# Altium PCB coreBoard.PcbDoc (part 1 of 2)
Units mm, origin at the board's own origin, x right, y up, seen from the top; angles counter-clockwise.
Board outline 99.95 x 98.81 mm, 2 copper layers (Top Layer, Bottom Layer); 296 components, 246 nets, 1010 pads, 103 vias.
Unrouted connection lines stored in the file: 445.
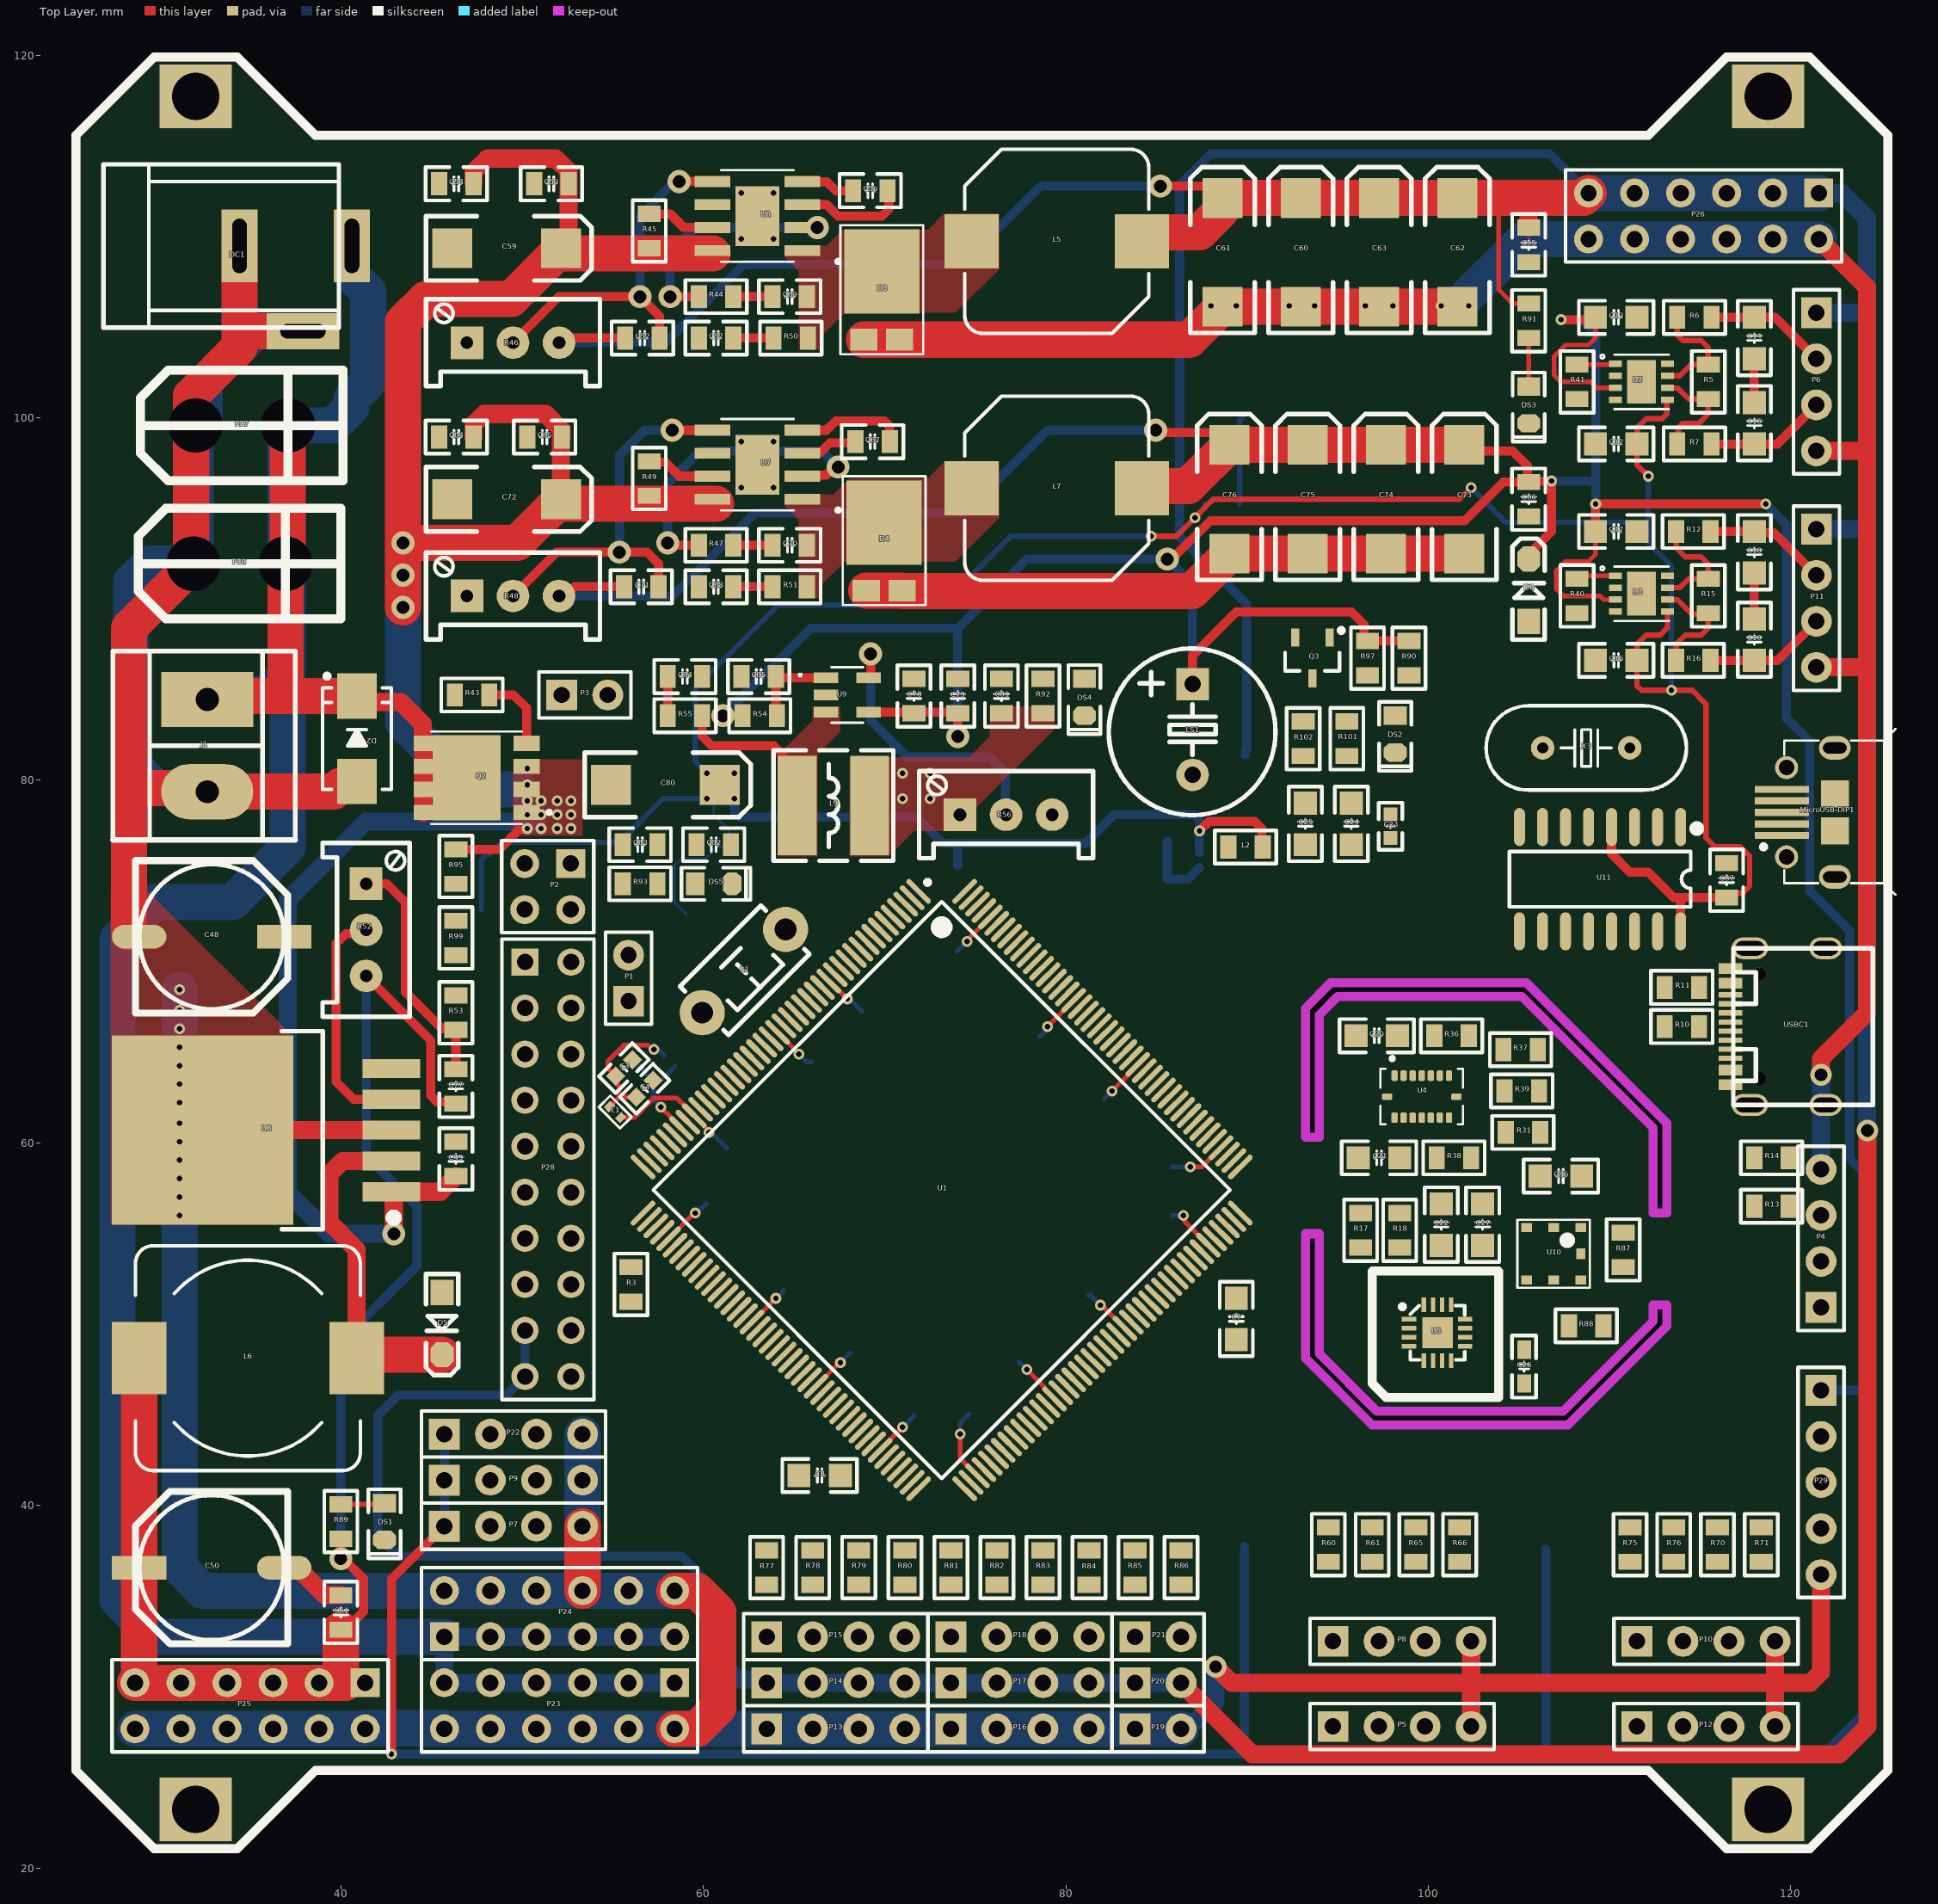
[diagram p0: Top Layer view]
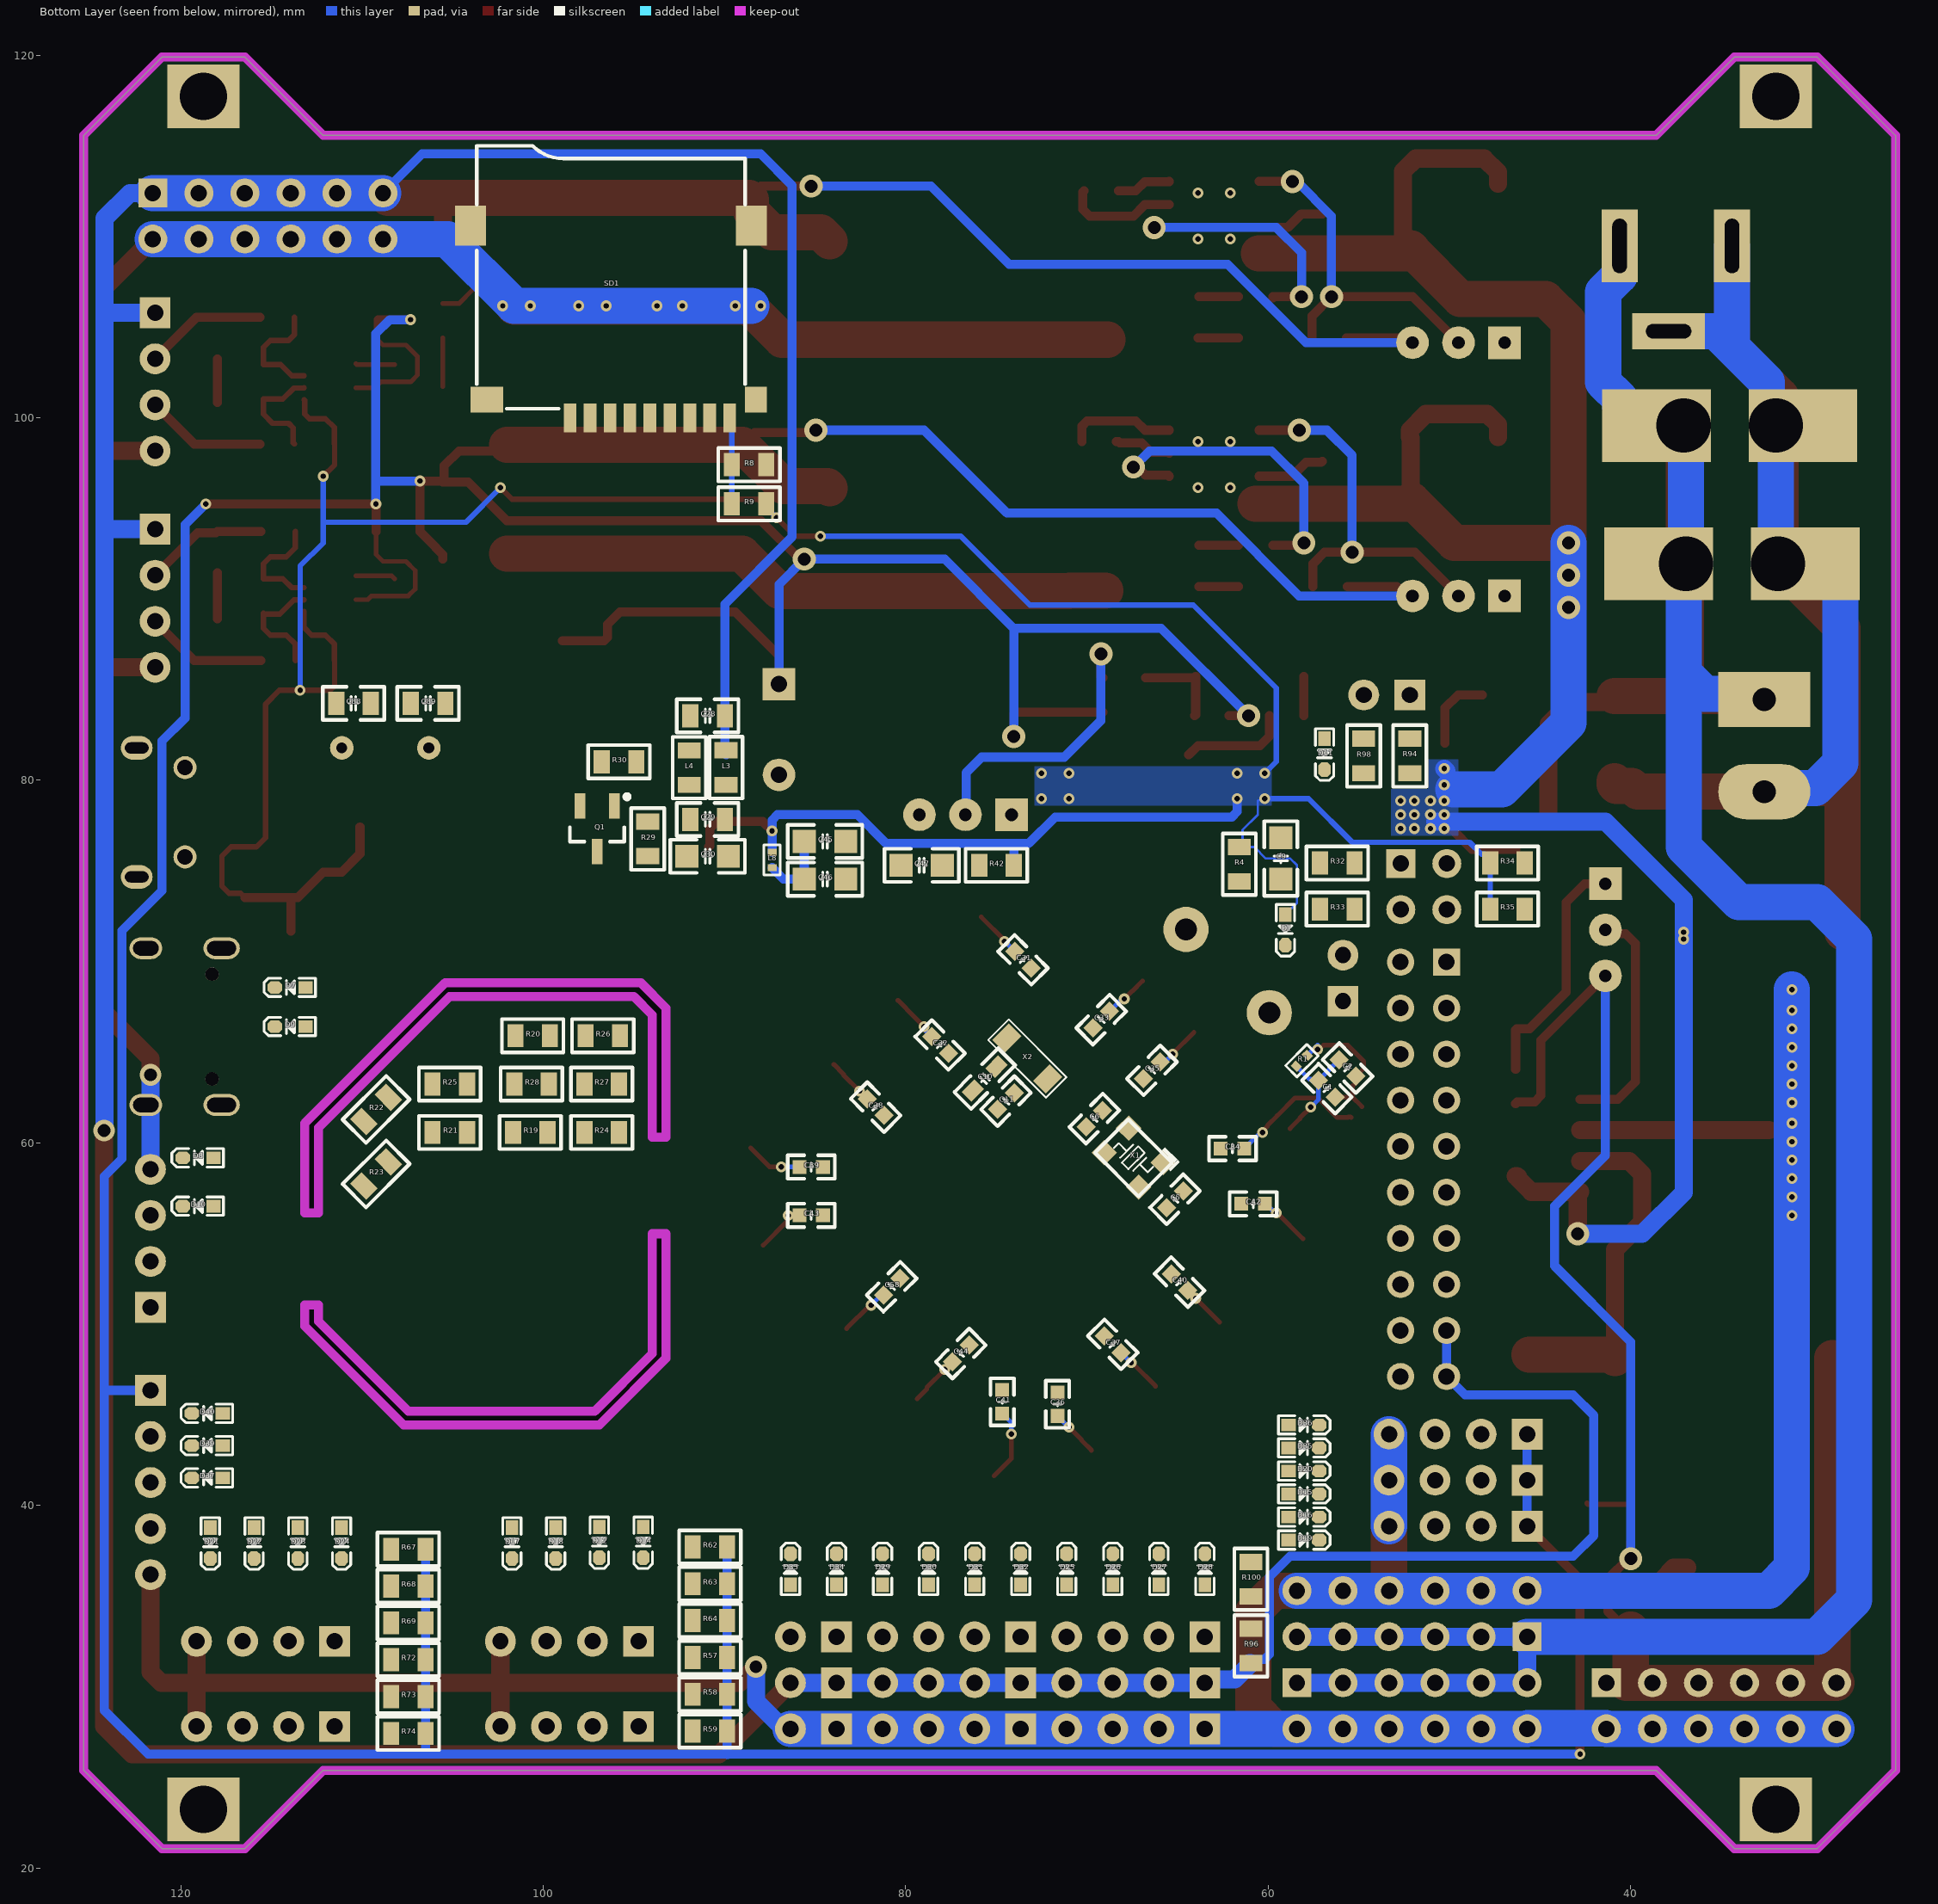
[diagram p1: Bottom Layer view, seen from below]

## Layer stack, top to bottom
Top Solder: solder mask 0.0102, Solder Resist, Dk 3.5
Top Layer: signal copper 0.0356
Dielectric 1: dielectric 0.32, FR-4, Dk 4.8
Bottom Layer: signal copper 0.0356
Bottom Solder: solder mask 0.0102, Solder Resist, Dk 3.5

## Board outline
25.4,25.4 29.718,21.082 34.29,21.082 38.608,25.4 112.141,25.4 116.459,21.082 121.031,21.082 125.349,25.4 125.349,115.57 121.031,119.888 116.459,119.888 112.141,115.57 38.608,115.57 34.29,119.888 29.718,119.888 25.4,115.57
cut-out: 93.218,60.325 93.218,67.437 94.615,68.834 105.41,68.834 113.157,61.087 113.157,56.134 112.395,56.134 112.395,60.833 105.156,68.072 94.996,68.072 93.98,67.056 93.98,60.325
cut-out: 93.218,48.133 96.901,44.45 107.696,44.45 113.157,49.911 113.157,51.054 112.395,51.054 112.395,50.165 107.442,45.212 97.155,45.212 93.98,48.387 93.98,54.991 93.218,54.991

## Design rules (kind name [scope] priority, off if disabled: settings)
Clearance [All] p1: gap=0.254 ignorepadtopadclearanceinfootprint=FALSE except(0: Arc-Hole Track-Hole SMDPad-Hole THPad-Hole Via-Hole Fill-Hole Poly-Hole Region-Hole Text-Hole; 0.127: Arc-Arc Arc-Track Arc-SMDPad Arc-THPad Arc-Via Track-Track Track-SMDPad Track-THPad Track-Via SMDPad-SMDPad SMDPad-THPad SMDPad-Via THPad-THPad THPad-Via Via-Via)
PlaneClearance [All] p1: clearance=0
PolygonConnect [All] p1: connectstyle=Direct reliefconductorwidth=0.254 reliefentries=4 polygonreliefangle="90 Angle" airgapwidth=0.254
RoutingVias [All] p1: holewidth=0.3 width=0.6 viastyle="Through Hole" minholewidth=0.3 minwidth=0.6 maxholewidth=6.3 maxwidth=10
SolderMaskExpansion [All] p1: expansion=0.102 istentingtop=FALSE
Width [All] p1: maxlimit=10 minlimit=0.127 preferedwidth=0.127
29 further rules are at their usual default settings.

## Classes and differential pairs
net class PF[0..15]: PF0 PF1 PF2 PF3 PF4 PF5 PF6 PF7 PF8 PF9 PF10 PF11 PF12 PF13 PF14 PF15
component class Sensor: C20 C21 C22 C23 C24 C25 C26 C27 C28 C29 C30 C86 L2 L3 L4 Q1 R17 R18 R19 R20 R21 R22 R23 R24 R25 R26 R27 R28 R29 R30 R31 R87 R88 T1 T2 T3 T4 T5 T6 T7 U4 U5 U10
component class Power: C1 C2 C3 C4 C31 C32 C33 C34 C35 C36 C37 C38 C39 C40 C41 C42 C43 C44 C45 C46 C48 C49 C50 C51 C52 C53 C54 C55 C56 C57 C58 C59 C60 C61 C62 C63 C64 C65 C66 C67 C68 C69 C70 C71 C72 C73 C74 C75 C76 C77 C78 C79 C80 C81 C82 C83 C84 C85 D1 D2 D3 D4 D5 D6 L1 L5 L6 L7 L8 L9 P1 Q2 R1 R43 R44 R45 R46 R47 R48 R49 R50 R51 R52 R53 R54 R55 R56 U6 U7 U8 U9
component class MCU: C5 C6 C7 C8 C9 C10 C11 C47 P2 R3 R4 R32 R33 R34 R35 R36 R37 R38 R39 R40 R41 R42 S1 U1 X1 X2
component class Interface2: C87 C88 C89 D11 D25 D26 D27 D28 D29 D30 D31 D32 D33 D34 D37 D39 D40 DC1 DS1 DS2 DS3 DS4 DS5 J1 LS1 MicroUSB-DIP1 P3 P13 P14 P15 P16 P17 P18 P19 P20 P21 P23 P24 P25 P26 P27 P28 P29 P30 Q3 R77 R78 R79 R80 R81 R82 R83 R84 R85 R86 R89 R90 R91 R92 R93 R94 R95 R96 R97 R98 R99 R100 R101 R102 U11 X3
component class Interface1: C12 C13 C14 C15 C16 C17 C18 C19 D7 D8 D9 D10 D12 D14 D15 D16 D17 D18 D19 D20 D21 D22 D23 D24 D35 D36 P4 P5 P6 P7 P8 P9 P10 P11 P12 P22 R5 R6 R7 R8 R9 R10 R11 R12 R13 R14 R15 R16 R57 R58 R59 R60 R61 R62 R63 R64 R65 R66 R67 R68 R69 R70 R71 R72 R73 R74 R75 R76 SD1 U2 U3 USBC1

## Components (designator, comment, footprint, x,y, rotation, side; value= is the part's Value field where it differs from the comment)
C1 "0805" "C 0603_L" 56.769,62.992 r45 bottom value=0.1uF
C2 "0805" "C 0603_L" 55.626,64.135 r45 bottom value=1uF
C3 "0805" "C 0603_L" 55.626,64.135 r225 top value=0.1uF
C4 "0805" "C 0603_L" 56.769,62.992 r225 top value=1uF
C5 "0603" "C 0603_L" 65.151,56.896 r315 bottom value=20pF
C6 "0603" "C 0603_L" 69.596,61.341 r315 bottom value=20pF
C7 "0805" "C 0805_M" 89.408,50.292 r90 top value=2.2uF
C8 "0805" "C 0805_M" 66.421,41.656 r0 top value=2.2uF
C9 "0805" "C 0805_M" 59.309,75.692 r270 bottom value=100nF
C10 "0603" "C 0603_M" 75.644,63.548 r135 bottom value=6.8pF
C11 "0603" "C 0603_L" 74.47,62.309 r135 bottom value=6.8pF
C12 "0805" "C 0805_M" 110.363,98.552 r0 top value=100nF
C13 "0805" "C 0805_M" 110.363,105.537 r0 top value=100nF
C14 "0805" "C 0805_M" 117.983,104.394 r270 top value=330pF
C15 "0805" "C 0805_M" 117.983,99.695 r270 top value=330pF
C16 "0805" "C 0805_M" 110.363,86.614 r0 top value=100nF
C17 "0805" "C 0805_M" 110.363,93.726 r0 top value=100nF
C18 "0805" "C 0805_M" 117.983,92.583 r270 top value=330pF
C19 "0805" "C 0805_M" 117.983,87.757 r270 top value=330pF
C20 "0805" "C 0805_M" 97.155,65.913 r0 top value=100nF
C21 "0805" "C 0805_M" 97.282,59.182 r0 top value=100nF
C22 "0805" "C 0805_M" 100.711,55.499 r90 top value=100nF
C23 "0603" "C 0603_L" 97.917,77.47 r270 top value=10uF
C24 "0805" "C 0805_M" 95.758,77.597 r270 top value=100nF
C25 "0805" "C 0805_M" 93.218,77.597 r270 top value=100nF
C26 "0603" "C 0603_M" 105.283,47.663 r90 top value=4.7uF
C27 "0805" "C 0805_M" 102.997,55.499 r270 top value=100nF
C28 "0805" "C 0805_L" 90.932,83.561 r180 bottom value=22uF
C29 "0805" "C 0805_L" 90.932,77.846 r180 bottom value=22uF
C30 "0805" "C 0805_M" 90.932,75.814 r180 bottom value=100nF
C31 "0805" "C 0603_L" 73.533,70.104 r45 bottom value=100nF
C32 "0805" "C 0603_L" 78.105,65.405 r45 bottom value=100nF
C33 "0805" "C 0603_L" 69.215,66.802 r135 bottom value=100nF
C34 "0805" "C 0603_L" 61.976,59.69 r180 bottom value=100nF
C35 "0805" "C 0603_L" 66.421,64.008 r135 bottom value=100nF
C36 "0805" "C 0603_L" 71.628,45.593 r270 bottom value=100nF
C37 "0805" "C 0603_L" 68.58,48.895 r225 bottom value=100nF
C38 "0805" "C 0603_L" 81.661,61.976 r45 bottom value=100nF
C39 "0805" "C 0603_L" 85.217,58.674 r0 bottom value=100nF
C40 "0805" "C 0603_L" 64.897,52.324 r225 bottom value=100nF
C41 "0805" "C 0603_L" 74.676,45.72 r270 bottom value=100nF
C42 "0805" "C 0603_L" 60.833,56.642 r180 bottom value=100nF
C43 "0805" "C 0603_L" 85.217,56.007 r0 bottom value=100nF
C44 "0805" "C 0603_L" 76.962,48.387 r315 bottom value=100nF
C45 "0805" "C 0805_M" 84.455,76.635 r0 bottom value=4.7uF
C46 "0805" "C 0805_M" 84.455,74.549 r0 bottom value=4.7uF
C47 "0805" "C 0805_M" 79.121,75.311 r180 bottom value=1.0uF
C48 "CAP-ELEC" "CM E(8*10.2)" 32.881,71.374 r0 top value=470uF
C49 "CAP" "C 0805_L" 46.355,59.116 r90 top value=100nF
C50 "CAP-ELEC" "CM E(8*10.2)" 32.881,36.576 r180 top value=470uF
C51 "CAP" "C 0805_L" 40.005,34.102 r90 top value=100nF
C52 "CAP" "C 0805_L" 56.642,104.394 r0 top value=100nF
C53 "CAP" "C 0805_L" 51.623,112.903 r180 top value=100nF
C54 "CAP" "C 0805_L" 46.379,112.903 r180 top value=100nF
C55 "CAP" "C 0805_L" 105.537,109.535 r270 top value=100nF
C56 "CAP" "C 0805_L" 69.215,112.522 r0 top value=1uF
C57 "CAP" "C 0805_L" 60.706,104.394 r0 top value=470pF
C58 "0805" "C 0603_L" 80.772,52.07 r315 bottom value=100nF
C59 "CAP-ELEC" "CD C(6032)" 49.149,109.347 r180 top value=22uF
C60 "CAP-ELEC" "CD C(6032)" 92.964,109.12 r270 top value=22uF
C61 "CAP-ELEC" "CD C(6032)" 88.646,109.12 r270 top value=22uF
C62 "CAP-ELEC" "CD C(6032)" 101.6,109.12 r270 top value=22uF
C63 "CAP-ELEC" "CD C(6032)" 97.282,109.12 r270 top value=22uF
C64 "CAP" "C 0805_L" 46.379,98.933 r180 top value=100nF
C65 "CAP" "C 0805_L" 51.247,98.933 r180 top value=100nF
C66 "CAP" "C 0805_L" 105.537,95.504 r270 top value=100nF
C67 "CAP" "C 0805_L" 69.342,98.679 r180 top value=1uF
C68 "CAP" "C 0805_L" 60.706,90.678 r0 top value=470pF
C69 "CAP" "C 0805_L" 64.77,106.68 r180 top value=100nF
C70 "CAP" "C 0805_L" 64.77,92.964 r180 top value=100nF
C71 "CAP" "C 0805_L" 56.581,90.678 r0 top value=100nF
C72 "CAP-ELEC" "CD C(6032)" 49.149,95.504 r180 top value=22uF
C73 "CAP-ELEC" "CD C(6032)" 101.983,95.504 r270 top value=22uF
C74 "CAP-ELEC" "CD C(6032)" 97.665,95.504 r270 top value=22uF
C75 "CAP-ELEC" "CD C(6032)" 93.347,95.504 r270 top value=22uF
C76 "CAP-ELEC" "CD C(6032)" 89.029,95.504 r270 top value=22uF
C77 "CAP" "C 0805_L" 46.355,63.119 r90 top value=3.3nF
C78 "CAP" "C 0805_L" 71.628,84.648 r270 top value=10uF
C79 "CAP" "C 0805_L" 74.041,84.648 r270 top value=100nF
C80 "CAP-ELEC" "CD C(6032)" 57.912,79.756 r180 top value=22uF
C81 "CAP" "C 0805_L" 76.454,84.648 r90 top value=1nF
C82 "CAP" "C 0805_L" 60.579,76.454 r0 top value=1nF
C83 "CAP" "C 0805_L" 56.515,76.454 r180 top value=100nF
C84 "CAP" "C 0805_L" 58.989,85.725 r180 top value=100pF
C85 "CAP" "C 0805_L" 63.058,85.725 r0 top value=1uF
C86 "0805" "C 0805_M" 107.315,58.166 r0 top value=100nF
C87 "CAP" "C 0805_L" 116.459,74.488 r270 top value=100nF
C88 "CAP" "C 0805_L" 110.466,84.251 r0 bottom value=100nF
C89 "CAP" "C 0805_L" 106.355,84.251 r0 bottom value=100nF
D1 "D 1N4148" SOD-523 59.055,71.755 r270 bottom
D2 "SMBJ30CA" SMB 40.894,82.296 r90 top
D3 "SS8P6C" TO-277 69.85,107.061 r270 top
D4 "SS8P6C" TO-277 69.977,93.218 r270 top
D5 "D" SOD-123 45.593,50.038 r270 top
D6 "D 1N4148" SOD-123 105.537,90.487 r90 top
D7 "TVS" SOD-523 113.958,68.58 r0 bottom
D8 "TVS" SOD-523 119.038,59.182 r0 bottom
D9 "TVS" SOD-523 113.958,66.421 r0 bottom
D10 "TVS" SOD-523 119.038,56.515 r0 bottom
D11 "TVS" SOD-523 56.896,81.446 r270 bottom
D12 "TVS" SOD-523 96.901,37.973 r270 bottom
D14 "TVS" SOD-523 94.488,37.973 r270 bottom
D15 "TVS" SOD-523 58.039,40.64 r180 bottom
D16 "TVS" SOD-523 58.039,39.37 r180 bottom
D17 "TVS" SOD-523 101.727,37.934 r270 bottom
D18 "TVS" SOD-523 99.314,37.934 r270 bottom
D19 "TVS" SOD-523 58.039,38.1 r180 bottom
D20 "TVS" SOD-523 58.039,41.91 r180 bottom
D21 "TVS" SOD-523 118.364,37.934 r270 bottom
D22 "TVS" SOD-523 115.951,37.934 r270 bottom
D23 "TVS" SOD-523 113.538,37.934 r270 bottom
D24 "TVS" SOD-523 111.125,37.934 r270 bottom
D25 "TVS" SOD-523 71.12,36.488 r90 bottom
D26 "TVS" SOD-523 68.58,36.488 r90 bottom
D27 "TVS" SOD-523 66.04,36.488 r90 bottom
D28 "TVS" SOD-523 63.5,36.488 r90 bottom
D29 "TVS" SOD-523 81.28,36.488 r90 bottom
D30 "TVS" SOD-523 78.74,36.488 r90 bottom
D31 "TVS" SOD-523 76.2,36.488 r90 bottom
D32 "TVS" SOD-523 73.66,36.488 r90 bottom
D33 "TVS" SOD-523 86.36,36.488 r90 bottom
D34 "TVS" SOD-523 83.82,36.488 r90 bottom
D35 "TVS" SOD-523 58.039,43.18 r180 bottom
D36 "TVS" SOD-523 58.039,44.45 r180 bottom
D37 "TVS" SOD-523 118.53,41.529 r0 bottom
D39 "TVS" SOD-523 118.53,43.307 r0 bottom
D40 "TVS" SOD-523 118.53,45.085 r0 bottom
DC1 "DC" DC-005 34.417,109.474 r180 top